# Altium PCB PCB1.pcbdoc (part 1 of 3)
Units mil, origin at the board's own origin, x right, y up, seen from the top; angles counter-clockwise.
Board outline 13400.91 x 6761.77 mil, 2 copper layers (Top Layer, Bottom Layer); 395 components, 233 nets, 925 pads, 452 vias.
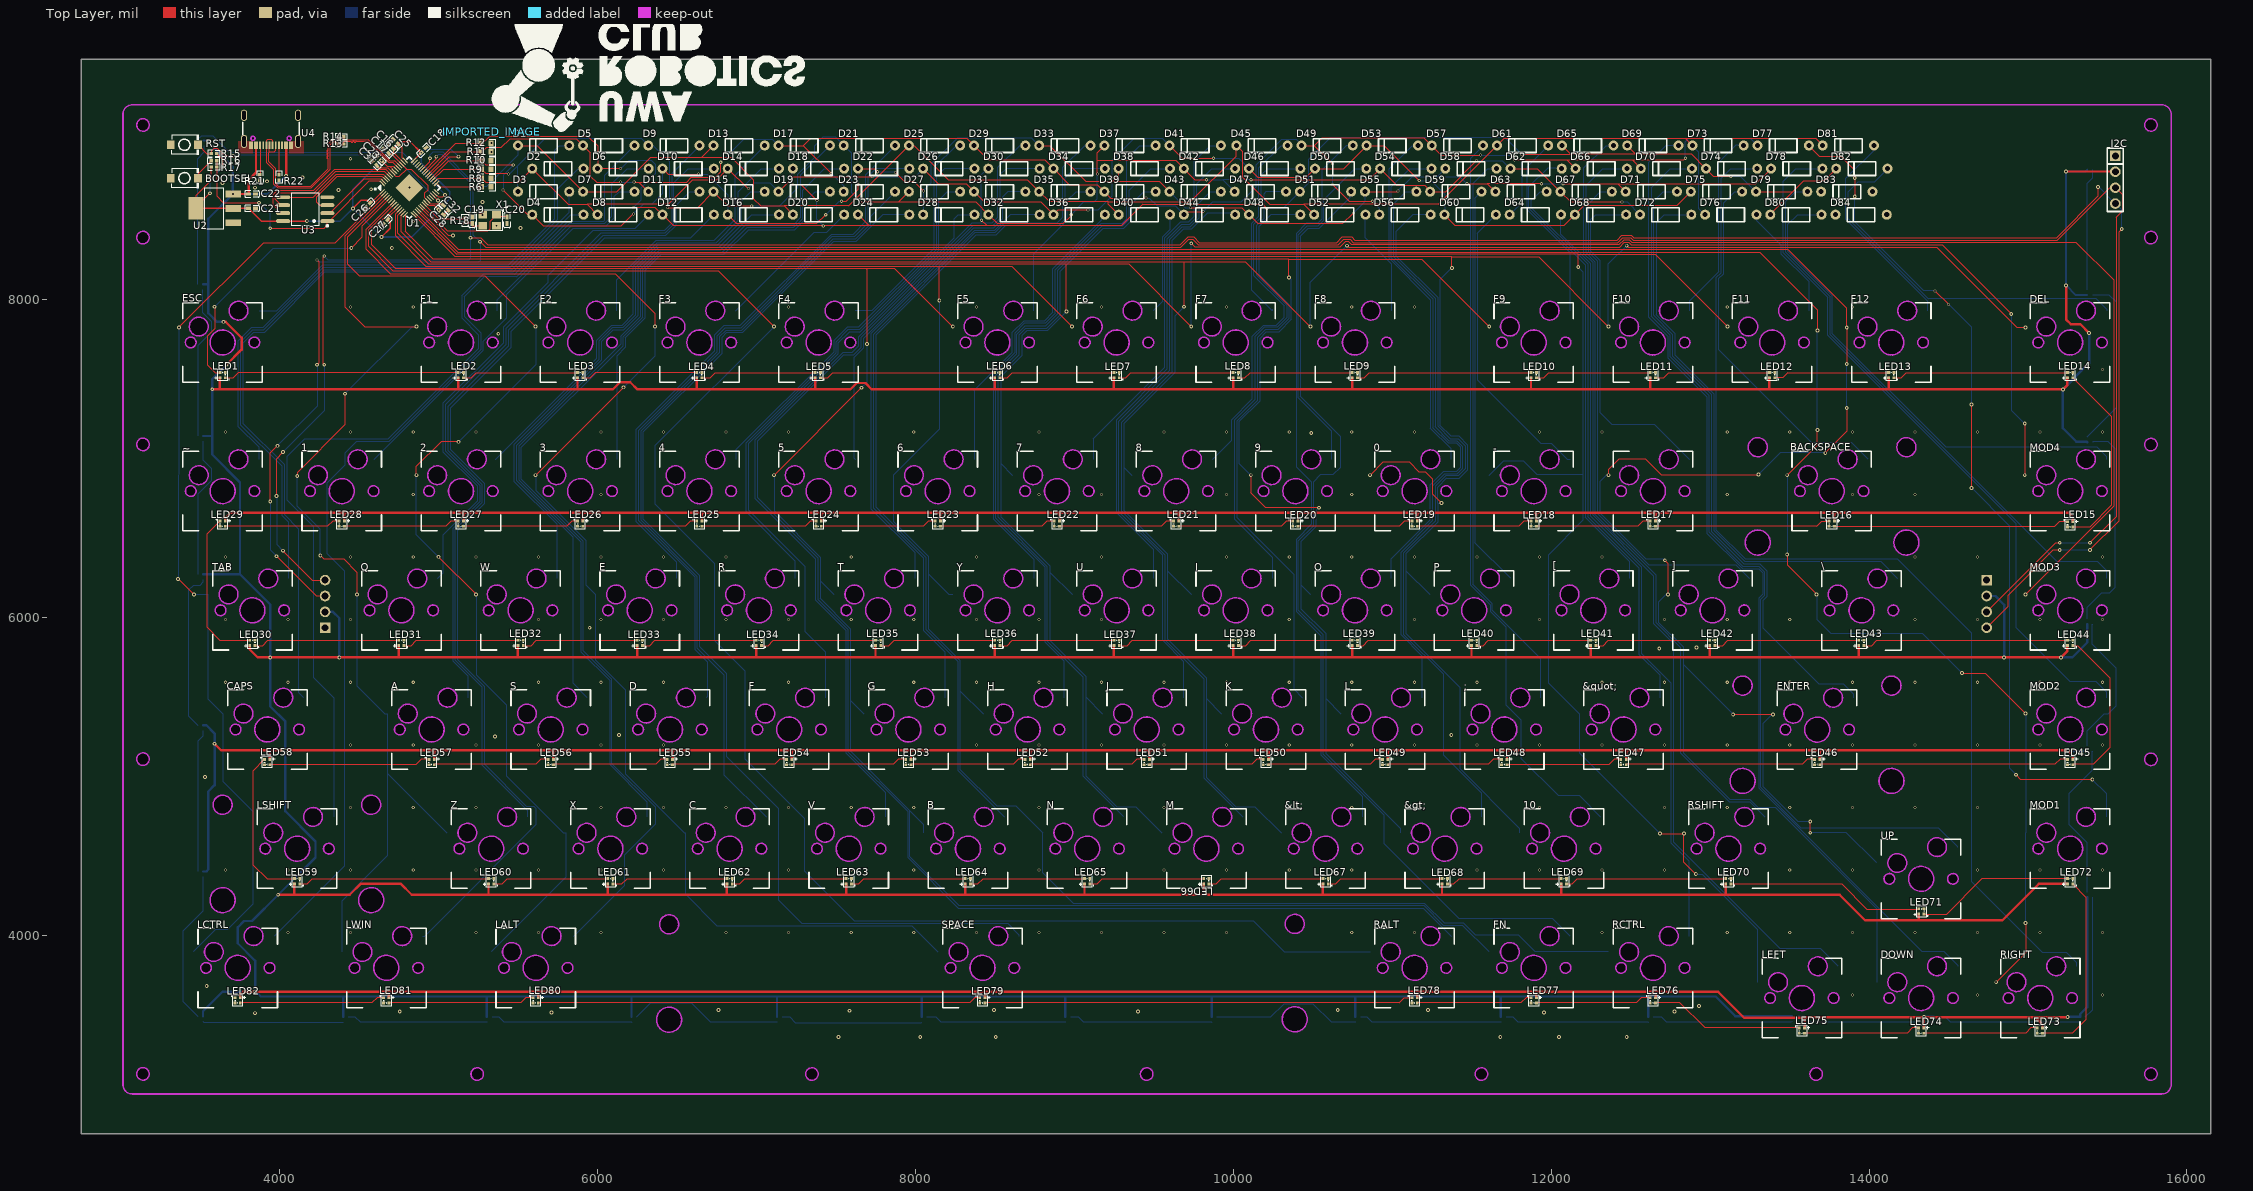
[diagram p0: Top Layer view]
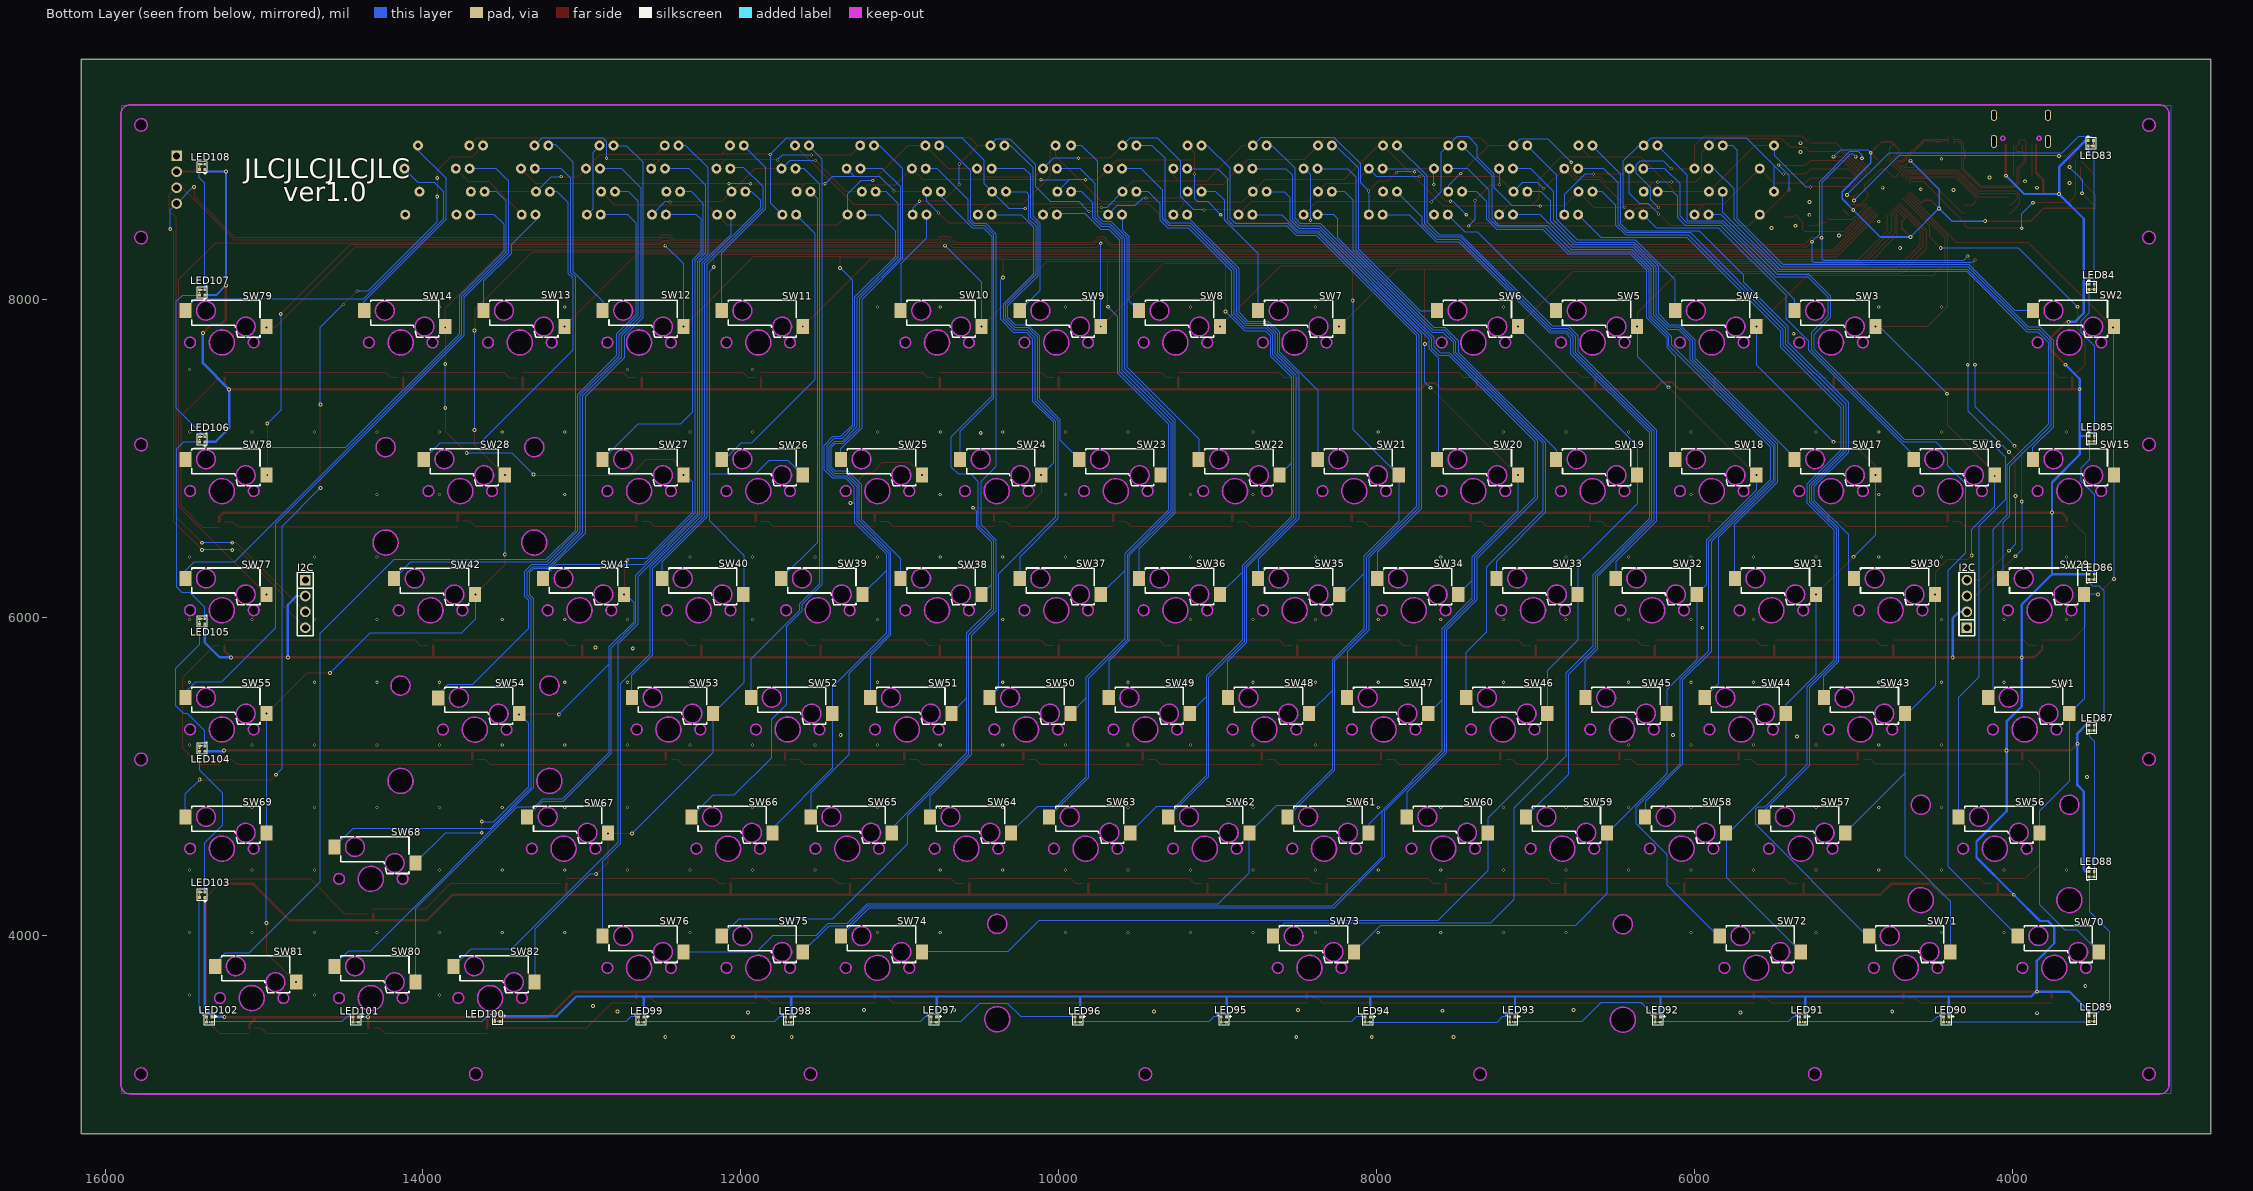
[diagram p1: Bottom Layer view, seen from below]

## Layer stack, top to bottom
Top Layer: signal copper (thickness not stored)
Dielectric: dielectric 12.6, FR-4, Dk 4.8
Bottom Layer: signal copper (thickness not stored)

## Board outline
16150.91,2750 2750,2750 2750,9511.77 16150.91,9511.77
cut-out: 6509.65,4067.51 ccw(c6449.61,4067.08) 6389.57,4067.51 ccw(c6449.61,4067.94)
cut-out: 6528.35,3467.51 ccw(c6449.61,3466.96) 6370.87,3467.51 ccw(c6449.61,3468.07)
cut-out: 10465.35,3470.29 ccw(c10386.61,3470.29) 10307.87,3470.29 ccw(c10386.61,3470.29)
cut-out: 10446.65,4070.29 ccw(c10386.61,4070.29) 10326.57,4070.29 ccw(c10386.61,4070.29)
cut-out: 13282.76,4969.93 ccw(c13204.02,4969.34) 13125.28,4969.93 ccw(c13204.02,4970.53)
cut-out: 13264.06,5569.93 ccw(c13204.02,5569.46) 13143.98,5569.93 ccw(c13204.02,5570.4)
cut-out: 14219.76,4969.93 ccw(c14141.02,4969.93) 14062.28,4969.93 ccw(c14141.02,4969.93)
cut-out: 14201.02,5569.93 ccw(c14140.98,5569.93) 14080.94,5569.93 ccw(c14140.98,5569.93)
cut-out: 13360.04,7069.93 ccw(c13300,7069.93) 13239.96,7069.93 ccw(c13300,7069.93)
cut-out: 13378.78,6469.93 ccw(c13300.04,6469.67) 13221.3,6469.93 ccw(c13300.04,6470.2)
cut-out: 14295.04,7069.93 ccw(c14235,7069.93) 14174.96,7069.93 ccw(c14235,7069.93)
cut-out: 14313.78,6469.93 ccw(c14235.04,6469.67) 14156.3,6469.93 ccw(c14235.04,6470.2)
cut-out: 4635.04,4819.93 ccw(c4575,4819.93) 4514.96,4819.93 ccw(c4575,4819.93)
cut-out: 4653.74,4219.93 ccw(c4575,4219.81) 4496.26,4219.93 ccw(c4575,4220.06)
cut-out: 3700.04,4819.93 ccw(c3640,4819.93) 3579.96,4819.93 ccw(c3640,4819.93)
cut-out: 3718.74,4219.93 ccw(c3640,4219.81) 3561.26,4219.93 ccw(c3640,4220.06)
cut-out: 3178.86,9097.49 ccw(c3139.49,9097.21) 3100.12,9097.49 ccw(c3139.49,9097.76)
cut-out: 3178.86,7087.38 ccw(c3139.49,7087.11) 3100.12,7087.38 ccw(c3139.49,7087.65)
cut-out: 3178.86,5107.07 ccw(c3139.49,5106.8) 3100.12,5107.07 ccw(c3139.49,5107.34)
cut-out: 3178.86,3126.76 ccw(c3139.49,3126.49) 3100.12,3126.76 ccw(c3139.49,3127.03)
cut-out: 5281.54,3125.58 ccw(c5242.17,3125.15) 5202.8,3125.58 ccw(c5242.17,3126.01)
cut-out: 7387.83,3125.58 ccw(c7348.46,3125.58) 7309.09,3125.58 ccw(c7348.46,3125.58)
cut-out: 9494.13,3125.58 ccw(c9454.76,3125.58) 9415.39,3125.58 ccw(c9454.76,3125.58)
cut-out: 11600.43,3125.58 ccw(c11561.06,3125.58) 11521.69,3125.58 ccw(c11561.06,3125.58)
cut-out: 13706.69,3125.58 ccw(c13667.32,3125.58) 13627.95,3125.58 ccw(c13667.32,3125.58)
cut-out: 15812.99,3125.58 ccw(c15773.62,3125.58) 15734.25,3125.58 ccw(c15773.62,3125.58)
cut-out: 15812.99,5105.89 ccw(c15773.62,5105.89) 15734.25,5105.89 ccw(c15773.62,5105.89)
cut-out: 15812.99,7086.2 ccw(c15773.62,7086.2) 15734.25,7086.2 ccw(c15773.62,7086.2)
cut-out: 15812.99,9097.49 ccw(c15773.62,9097.49) 15734.25,9097.49 ccw(c15773.62,9097.49)
cut-out: 15812.99,8388.82 ccw(c15773.62,8388.82) 15734.25,8388.82 ccw(c15773.62,8388.82)
cut-out: 3178.86,8388.82 ccw(c3139.49,8388.55) 3100.12,8388.82 ccw(c3139.49,8389.1)

## Design rules (kind name [scope] priority, off if disabled: settings)
BoardOutlineClearance copperThickness1oz [All] p0: genericclearance=10 ignorepadtopadclearanceinfootprint=FALSE except(0: Arc-SplitContinuation Track-SplitContinuation SMDPad-SplitContinuation THPad-SplitContinuation Via-SplitContinuation Fill-SplitContinuation Poly-SplitContinuation Region-SplitContinuation Text-SplitContinuation; 6: SMDPad-CutoutEdge THPad-CutoutEdge Via-CutoutEdge Fill-CutoutEdge Region-CutoutEdge; 11.8: Track-OutlineEdge SMDPad-OutlineEdge THPad-OutlineEdge Via-OutlineEdge Fill-OutlineEdge Region-OutlineEdge Poly-OutlineEdge Text-OutlineEdge Track-CutoutEdge)
BoardOutlineClearance copperThickness2oz [All] p0: genericclearance=10 ignorepadtopadclearanceinfootprint=FALSE except(0: Arc-SplitContinuation Track-SplitContinuation SMDPad-SplitContinuation THPad-SplitContinuation Via-SplitContinuation Fill-SplitContinuation Poly-SplitContinuation Region-SplitContinuation Text-SplitContinuation; 6: SMDPad-CutoutEdge THPad-CutoutEdge Via-CutoutEdge Fill-CutoutEdge Region-CutoutEdge; 11.8: Track-OutlineEdge SMDPad-OutlineEdge THPad-OutlineEdge Via-OutlineEdge Fill-OutlineEdge Region-OutlineEdge Poly-OutlineEdge Text-OutlineEdge Track-CutoutEdge)
Clearance copperThickness1oz [(InNet('C11') OR InNet('C2') OR InNet('C3') OR InNet('C4') OR InNet('C5') OR InNet('C6') OR InNet('C7') OR InNet('C8') OR InNet('C9') OR InNet('C10') OR InNet('R1') OR InNet('R2') OR InNet('R3') OR InNet('R4') OR InNet('R5') OR InNet('R6') OR InNet('C1') OR InNet('GND') OR InNet('XIN') OR InNet('XOUT') OR InNet('$1N33370') OR InNet('C12') OR InNet('C13') OR InNet('C14') OR InNet('$1N13351') OR InNet('$1N13307') OR InNet('QSPI_SD3') OR InNet('QSPI_SCLK') OR InNet('QSPI_SD0') OR InNet('QSPI_SD2') OR InNet('QSPI_SD1') OR InNet('QSPI_SS') OR InNet('VCC') OR InNet('DN') OR InNet('DP') OR InNet('$1N10159') OR InNet('$1N11124') OR InNet('DINUGRGB') OR InNet('DINPKRGB') OR InNet('+3.3V') OR InNet('+1.1V') OR InNet('$1N279593') OR InNet('$1N279591') OR InNet('SDA1') OR InNet('SCL1') OR InNet('$3N114977') OR InNet('$3N114980') OR InNet('$3N114983') OR InNet('$3N114986') OR InNet('$3N114989') OR InNet('$3N114992') OR InNet('$3N114995') OR InNet('$3N114998') OR InNet('$3N118847') OR InNet('$3N115509') OR InNet('$3N115511') OR InNet('$3N115513') OR InNet('$3N115515') OR InNet('$3N115517') OR InNet('$3N115519') OR InNet('$3N115521') OR InNet('$3N115523') OR InNet('$3N115525') OR InNet('$3N118859') OR InNet('$3N116527') OR InNet('$3N116529') OR InNet('$3N116531') OR InNet('$3N116533') OR InNet('$3N116535') OR InNet('$3N116537') OR InNet('$3N116539') OR InNet('$3N116541') OR InNet('$3N116543') OR InNet('$3N118871') OR InNet('$3N116567') OR InNet('$3N116569') OR InNet('$3N116571') OR InNet('$3N116573') OR InNet('$3N116575') OR InNet('$3N116577') OR InNet('$3N116579') OR InNet('$3N116581') OR InNet('$3N116583') OR InNet('$3N118883') OR InNet('$3N118563') OR InNet('$3N118565') OR InNet('$3N118567') OR InNet('$3N118569') OR InNet('$3N118571') OR InNet('$3N118573') OR InNet('$3N118575') OR InNet('$3N118577') OR InNet('$3N118579') OR InNet('$3N118895') OR InNet('$3N118603') OR InNet('$3N118605') OR InNet('$3N118607') OR InNet('$3N118609') OR InNet('$3N118611') OR InNet('$3N118613') OR InNet('$3N118615') OR InNet('$3N118617') OR InNet('$3N118619') OR InNet('$3N118907') OR InNet('$3N118643') OR InNet('$3N118645') OR InNet('$3N118647') OR InNet('$3N118649') OR InNet('$3N118651') OR InNet('$3N118653') OR InNet('$3N118655') OR InNet('$3N118657') OR InNet('$3N118659') OR InNet('$3N118919') OR InNet('$3N118683') OR InNet('$3N118685') OR InNet('$3N118687') OR InNet('$3N118689') OR InNet('$3N118691') OR InNet('$3N118693') OR InNet('$3N118695') OR InNet('$3N118697') OR InNet('$3N118699') OR InNet('$3N118931') OR InNet('$3N118824') OR InNet('$1N381195') OR InNet('$1N381283') OR InNet('$1N381379') OR InNet('$1N381338') OR InNet('$1N381538') OR InNet('$1N381591') OR InNet('$1N381485') OR InNet('$1N381432') OR InNet('$1N381697') OR InNet('$1N381749') OR InNet('$1N381855') OR InNet('$1N381802') OR InNet('$1N381644') OR InNet('$1N382348') OR InNet('$1N382512') OR InNet('$1N382567') OR InNet('$1N382457') OR InNet('$1N382403') OR InNet('$1N382128') OR InNet('$1N382183') OR InNet('$1N382293') OR InNet('$1N382238') OR InNet('$1N382018') OR InNet('$1N382073') OR InNet('$1N381963') OR InNet('$1N381908') OR InNet('$1N382674') OR InNet('$1N382731') OR InNet('$1N382845') OR InNet('$1N382788') OR InNet('$1N383016') OR InNet('$1N383073') OR InNet('$1N382959') OR InNet('$1N382902') OR InNet('$1N383187') OR InNet('$1N383243') OR InNet('$1N383357') OR InNet('$1N383300') OR InNet('$1N383130') OR InNet('$1N383414') OR InNet('$1N382622') OR InNet('$1N384234') OR InNet('$1N385071') OR InNet('$1N384778') OR InNet('$1N384949') OR InNet('$1N385010') OR InNet('$1N384888') OR InNet('$1N384839') OR InNet('$1N384534') OR InNet('$1N384595') OR InNet('$1N384717') OR InNet('$1N384656') OR InNet('$1N384412') OR InNet('$1N384473') OR InNet('$1N384351') OR InNet('$1N384290') OR InNet('$1N383468') OR InNet('$1N383527') OR InNet('$1N383645') OR InNet('$1N383586') OR InNet('$1N383822') OR InNet('$1N383881') OR InNet('$1N383763') OR InNet('$1N383704') OR InNet('$1N383999') OR InNet('$1N384057') OR InNet('$1N384175') OR InNet('$1N384116') OR InNet('$1N383940') OR InNet('$1N385129') OR InNet('$1N385178') OR InNet('$1N385276') OR InNet('$1N385227') OR InNet('$1N385374') OR InNet('$1N385423') OR InNet('$1N385325') OR InNet('$1N385645') OR InNet('$1N385777') OR InNet('$1N385694') OR InNet('$1N385826') OR InNet('$1N385513') OR InNet('$1N385562') OR InNet('$3N124660') OR InNet('$3N125947') OR InNet('$3N125948') OR InNet('$3N125949') OR InNet('$3N125950') OR InNet('$3N125951') OR InNet('$3N125952') OR InNet('$3N125953') OR InNet('$3N125954') OR InNet('$3N125955') OR InNet('$3N125975') OR InNet('$3N125958') OR InNet('$3N125959') OR InNet('$3N125960') OR InNet('$3N125961') OR InNet('$3N125962') OR InNet('$3N125963') OR InNet('$3N125964') OR InNet('$3N125965') OR InNet('$3N125966') OR InNet('$3N125976') OR InNet('$3N125969') OR InNet('$3N125970') OR InNet('$3N125971') OR InNet('$3N125972') OR InNet('$3N125973'))] p1: gap=7 ignorepadtopadclearanceinfootprint=FALSE except(4: Track-Track; 6: Track-SMDPad SMDPad-SMDPad Track-THPad SMDPad-THPad THPad-THPad Track-Via SMDPad-Via THPad-Via Via-Via Track-Fill SMDPad-Fill THPad-Fill Via-Fill Fill-Fill SMDPad-Region THPad-Region Via-Region Fill-Region Region-Region Track-Poly SMDPad-Poly THPad-Poly Via-Poly Fill-Poly Poly-Poly Track-Text SMDPad-Text THPad-Text Via-Text Fill-Text Region-Text Poly-Text Text-Text Track-Hole SMDPad-Hole THPad-Hole Via-Hole Fill-Hole Region-Hole Poly-Hole Text-Hole; 11.8: Track-Region Region-Poly Track-Sheet SMDPad-Sheet THPad-Sheet Via-Sheet Fill-Sheet Region-Sheet Poly-Sheet Text-Sheet Sheet-Hole)
Clearance copperThickness2oz [All] p1: gap=7 ignorepadtopadclearanceinfootprint=FALSE except(6: Track-SMDPad SMDPad-SMDPad Track-THPad SMDPad-THPad THPad-THPad Track-Via SMDPad-Via THPad-Via Via-Via Track-Fill SMDPad-Fill THPad-Fill Via-Fill Fill-Fill SMDPad-Region THPad-Region Via-Region Fill-Region Region-Region Track-Poly SMDPad-Poly THPad-Poly Via-Poly Fill-Poly Poly-Poly Track-Text SMDPad-Text THPad-Text Via-Text Fill-Text Region-Text Poly-Text Text-Text Track-Hole SMDPad-Hole THPad-Hole Via-Hole Fill-Hole Region-Hole Poly-Hole Text-Hole; 8: Track-Track; 11.8: Track-Region Region-Poly Track-Sheet SMDPad-Sheet THPad-Sheet Via-Sheet Fill-Sheet Region-Sheet Poly-Sheet Text-Sheet Sheet-Hole)
DiffPairsRouting differentialPair [All] p1: maxuncoupledlength=10 minlimit=5.9843 maxlimit=5.9843 mostfreqgap=5.9843 toplayer_minwidth=5 toplayer_prefwidth=10 toplayer_maxwidth=100 bottomlayer_minwidth=5 bottomlayer_prefwidth=10 bottomlayer_maxwidth=100
PasteMaskExpansion pasteMaskExpansion [All] p1: expansion=0
PlaneConnect innerPlane [All] p1: planeconnectstyle=Relief reliefexpansion=20 reliefentries=4 reliefconductorwidth=10 reliefairgap=10
PolygonConnect copperRegion [All] p1: connectstyle=Relief reliefentries=4 reliefconductorwidth=10 polygonreliefangle="90 Angle" airgapwidth=10
RoutingVias viaSize [All] p1: viastyle="Through Hole" holewidth=11.811 minholewidth=11.811 maxholewidth=248.0314 width=19.685 minwidth=19.685 maxwidth=393.7008
SolderMaskExpansion solderMaskExpansion [All] p1: useseparateexpansions=TRUE expansion=2.0079 expansionbottom=2.0079
Width copperThickness1oz [All] p1: maxlimit=100 minlimit=5 preferedwidth=10
Width copperThickness2oz [All] p1: maxlimit=100 minlimit=8 preferedwidth=10

## Components (designator, comment, footprint, x,y, rotation, side; value= is the part's Value field where it differs from the comment)
0 "CHERRY-MX-SW-1U" CHERRY-MX-PCB-1U 11140,6793.73 r0 top
1 "CHERRY-MX-SW-1U" CHERRY-MX-PCB-1U 4390,6793.73 r0 top
2 "CHERRY-MX-SW-1U" CHERRY-MX-PCB-1U 5140,6793.73 r0 top
3 "CHERRY-MX-SW-1U" CHERRY-MX-PCB-1U 5890,6793.73 r0 top
4 "CHERRY-MX-SW-1U" CHERRY-MX-PCB-1U 6640,6793.73 r0 top
5 "CHERRY-MX-SW-1U" CHERRY-MX-PCB-1U 7390,6793.73 r0 top
6 "CHERRY-MX-SW-1U" CHERRY-MX-PCB-1U 8140,6793.73 r0 top
7 "CHERRY-MX-SW-1U" CHERRY-MX-PCB-1U 8890,6793.73 r0 top
8 "CHERRY-MX-SW-1U" CHERRY-MX-PCB-1U 9640,6793.73 r0 top
9 "CHERRY-MX-SW-1U" CHERRY-MX-PCB-1U 10390,6793.73 r0 top
10 "CHERRY-MX-SW-1U" CHERRY-MX-PCB-1U 12080,4543.73 r0 top
&gt; "CHERRY-MX-SW-1U" CHERRY-MX-PCB-1U 11330,4543.73 r0 top
&lt; "CHERRY-MX-SW-1U" CHERRY-MX-PCB-1U 10580,4543.73 r0 top
&quot; "CHERRY-MX-SW-1U" CHERRY-MX-PCB-1U 12455,5293.73 r0 top
- "CHERRY-MX-SW-1U" CHERRY-MX-PCB-1U 11890,6793.73 r0 top
; "CHERRY-MX-SW-1U" CHERRY-MX-PCB-1U 11705,5293.73 r0 top
[ "CHERRY-MX-SW-1U" CHERRY-MX-PCB-1U 12265,6043.73 r0 top
\ "CHERRY-MX-SW-1U" CHERRY-MX-PCB-1U 13952.38,6043.29 r0 top
] "CHERRY-MX-SW-1U" CHERRY-MX-PCB-1U 13015,6043.73 r0 top
A "CHERRY-MX-SW-1U" CHERRY-MX-PCB-1U 4955,5293.73 r0 top
B "CHERRY-MX-SW-1U" CHERRY-MX-PCB-1U 8330,4543.73 r0 top
BACKSPACE "CHERRY-MX-SW-1U" CHERRY-MX-PCB-1U 13765,6793.73 r0 top
BOOTSEL "TS-1088-AR02016" SW-SMD_L3.9-W3.0-P4.45 3400,8762.79 r0 top
C "CHERRY-MX-SW-1U" CHERRY-MX-PCB-1U 6830,4543.73 r0 top
C16 "CL05A105KA5NQNC" C0402 4700,8962.79 r135 top
C17 "CL05A105KA5NQNC" C0402 4670,8932.79 r315 top
C18 "CL05B104KO5NNNC" C0402 4905.17,8937.96 r45 top
C19 "0402CG330J500NT" C0402 5210,8497.79 r90 top
C20 "0402CG330J500NT" C0402 5430,8497.79 r90 top
C21 "CL05A106MQ5NUNC" C0402 3825,8572.79 r180 top
C22 "CL05A106MQ5NUNC" C0402 3825,8662.79 r180 top
C23 "CL05B104KO5NNNC" C0402 4625,8887.79 r315 top
C25 "CL05B104KO5NNNC" C0402 4730,8992.79 r315 top
C26 "CL05B104KO5NNNC" C0402 4555,8592.79 r45 top
C27 "CL05B104KO5NNNC" C0402 4665,8487.79 r45 top
C28 "CL05B104KO5NNNC" C0402 5015,8547.79 r135 top
C31 "CL05B104KO5NNNC" C0402 4595,8857.79 r315 top
C32 "CL05B104KO5NNNC" C0402 5045,8577.79 r135 top
CAPS "CHERRY-MX-SW-1U" CHERRY-MX-PCB-1U 3921.69,5293.69 r0 top
D "CHERRY-MX-SW-1U" CHERRY-MX-PCB-1U 6455,5293.73 r0 top
D1 "1N4148_C14538" DO-35_BD2.0-L4.2-P8.20-D0.5-RD 5660,8967.79 r0 top
D2 "1N4148_C14538" DO-35_BD2.0-L4.2-P8.20-D0.5-RD 5750,8822.79 r0 top
D3 "1N4148_C14538" DO-35_BD2.0-L4.2-P8.20-D0.5-RD 5660,8677.79 r0 top
D4 "1N4148_C14538" DO-35_BD2.0-L4.2-P8.20-D0.5-RD 5750,8532.79 r0 top
D5 "1N4148_C14538" DO-35_BD2.0-L4.2-P8.20-D0.5-RD 6070,8967.79 r0 top
D6 "1N4148_C14538" DO-35_BD2.0-L4.2-P8.20-D0.5-RD 6160,8822.79 r0 top
D7 "1N4148_C14538" DO-35_BD2.0-L4.2-P8.20-D0.5-RD 6070,8677.79 r0 top
D8 "1N4148_C14538" DO-35_BD2.0-L4.2-P8.20-D0.5-RD 6160,8532.79 r0 top
D9 "1N4148_C14538" DO-35_BD2.0-L4.2-P8.20-D0.5-RD 6480,8967.79 r0 top
D10 "1N4148_C14538" DO-35_BD2.0-L4.2-P8.20-D0.5-RD 6570,8822.79 r0 top
D11 "1N4148_C14538" DO-35_BD2.0-L4.2-P8.20-D0.5-RD 6480,8677.79 r0 top
D12 "1N4148_C14538" DO-35_BD2.0-L4.2-P8.20-D0.5-RD 6570,8532.79 r0 top
D13 "1N4148_C14538" DO-35_BD2.0-L4.2-P8.20-D0.5-RD 6890,8967.79 r0 top
D14 "1N4148_C14538" DO-35_BD2.0-L4.2-P8.20-D0.5-RD 6980,8822.79 r0 top
D15 "1N4148_C14538" DO-35_BD2.0-L4.2-P8.20-D0.5-RD 6890,8677.79 r0 top
D16 "1N4148_C14538" DO-35_BD2.0-L4.2-P8.20-D0.5-RD 6980,8532.79 r0 top
D17 "1N4148_C14538" DO-35_BD2.0-L4.2-P8.20-D0.5-RD 7300,8967.79 r0 top
D18 "1N4148_C14538" DO-35_BD2.0-L4.2-P8.20-D0.5-RD 7390,8822.79 r0 top
D19 "1N4148_C14538" DO-35_BD2.0-L4.2-P8.20-D0.5-RD 7300,8677.79 r0 top
D20 "1N4148_C14538" DO-35_BD2.0-L4.2-P8.20-D0.5-RD 7390,8532.79 r0 top
D21 "1N4148_C14538" DO-35_BD2.0-L4.2-P8.20-D0.5-RD 7710,8967.79 r0 top
D22 "1N4148_C14538" DO-35_BD2.0-L4.2-P8.20-D0.5-RD 7800,8822.79 r0 top
D23 "1N4148_C14538" DO-35_BD2.0-L4.2-P8.20-D0.5-RD 7710,8677.79 r0 top
D24 "1N4148_C14538" DO-35_BD2.0-L4.2-P8.20-D0.5-RD 7800,8532.79 r0 top
D25 "1N4148_C14538" DO-35_BD2.0-L4.2-P8.20-D0.5-RD 8120,8967.79 r0 top
D26 "1N4148_C14538" DO-35_BD2.0-L4.2-P8.20-D0.5-RD 8210,8822.79 r0 top
D27 "1N4148_C14538" DO-35_BD2.0-L4.2-P8.20-D0.5-RD 8120,8677.79 r0 top
D28 "1N4148_C14538" DO-35_BD2.0-L4.2-P8.20-D0.5-RD 8210,8532.79 r0 top
D29 "1N4148_C14538" DO-35_BD2.0-L4.2-P8.20-D0.5-RD 8530,8967.79 r0 top
D30 "1N4148_C14538" DO-35_BD2.0-L4.2-P8.20-D0.5-RD 8620,8822.79 r0 top
D31 "1N4148_C14538" DO-35_BD2.0-L4.2-P8.20-D0.5-RD 8530,8677.79 r0 top
D32 "1N4148_C14538" DO-35_BD2.0-L4.2-P8.20-D0.5-RD 8620,8532.79 r0 top
D33 "1N4148_C14538" DO-35_BD2.0-L4.2-P8.20-D0.5-RD 8940,8967.79 r0 top
D34 "1N4148_C14538" DO-35_BD2.0-L4.2-P8.20-D0.5-RD 9030,8822.79 r0 top
D35 "1N4148_C14538" DO-35_BD2.0-L4.2-P8.20-D0.5-RD 8940,8677.79 r0 top
D36 "1N4148_C14538" DO-35_BD2.0-L4.2-P8.20-D0.5-RD 9030,8532.79 r0 top
D37 "1N4148_C14538" DO-35_BD2.0-L4.2-P8.20-D0.5-RD 9350,8967.79 r0 top
D38 "1N4148_C14538" DO-35_BD2.0-L4.2-P8.20-D0.5-RD 9440,8822.79 r0 top
D39 "1N4148_C14538" DO-35_BD2.0-L4.2-P8.20-D0.5-RD 9350,8677.79 r0 top
D40 "1N4148_C14538" DO-35_BD2.0-L4.2-P8.20-D0.5-RD 9440,8532.79 r0 top
D41 "1N4148_C14538" DO-35_BD2.0-L4.2-P8.20-D0.5-RD 9760,8967.79 r0 top
D42 "1N4148_C14538" DO-35_BD2.0-L4.2-P8.20-D0.5-RD 9850,8822.79 r0 top
D43 "1N4148_C14538" DO-35_BD2.0-L4.2-P8.20-D0.5-RD 9760,8677.79 r0 top
D44 "1N4148_C14538" DO-35_BD2.0-L4.2-P8.20-D0.5-RD 9850,8532.79 r0 top
D45 "1N4148_C14538" DO-35_BD2.0-L4.2-P8.20-D0.5-RD 10180,8967.79 r0 top
D46 "1N4148_C14538" DO-35_BD2.0-L4.2-P8.20-D0.5-RD 10260,8822.79 r0 top
D47 "1N4148_C14538" DO-35_BD2.0-L4.2-P8.20-D0.5-RD 10170,8677.79 r0 top
D48 "1N4148_C14538" DO-35_BD2.0-L4.2-P8.20-D0.5-RD 10260,8532.79 r0 top
D49 "1N4148_C14538" DO-35_BD2.0-L4.2-P8.20-D0.5-RD 10590,8967.79 r0 top
D50 "1N4148_C14538" DO-35_BD2.0-L4.2-P8.20-D0.5-RD 10675,8822.79 r0 top
D51 "1N4148_C14538" DO-35_BD2.0-L4.2-P8.20-D0.5-RD 10580,8677.79 r0 top
D52 "1N4148_C14538" DO-35_BD2.0-L4.2-P8.20-D0.5-RD 10670,8532.79 r0 top
D53 "1N4148_C14538" DO-35_BD2.0-L4.2-P8.20-D0.5-RD 11000,8967.79 r0 top
D54 "1N4148_C14538" DO-35_BD2.0-L4.2-P8.20-D0.5-RD 11085,8822.79 r0 top
D55 "1N4148_C14538" DO-35_BD2.0-L4.2-P8.20-D0.5-RD 10990,8677.79 r0 top
D56 "1N4148_C14538" DO-35_BD2.0-L4.2-P8.20-D0.5-RD 11080,8532.79 r0 top
D57 "1N4148_C14538" DO-35_BD2.0-L4.2-P8.20-D0.5-RD 11410,8967.79 r0 top
D58 "1N4148_C14538" DO-35_BD2.0-L4.2-P8.20-D0.5-RD 11495,8822.79 r0 top
D59 "1N4148_C14538" DO-35_BD2.0-L4.2-P8.20-D0.5-RD 11400,8677.79 r0 top
D60 "1N4148_C14538" DO-35_BD2.0-L4.2-P8.20-D0.5-RD 11490,8532.79 r0 top
D61 "1N4148_C14538" DO-35_BD2.0-L4.2-P8.20-D0.5-RD 11820,8967.79 r0 top
D62 "1N4148_C14538" DO-35_BD2.0-L4.2-P8.20-D0.5-RD 11905,8822.79 r0 top
D63 "1N4148_C14538" DO-35_BD2.0-L4.2-P8.20-D0.5-RD 11810,8677.79 r0 top
D64 "1N4148_C14538" DO-35_BD2.0-L4.2-P8.20-D0.5-RD 11900,8532.79 r0 top
D65 "1N4148_C14538" DO-35_BD2.0-L4.2-P8.20-D0.5-RD 12230,8967.79 r0 top
D66 "1N4148_C14538" DO-35_BD2.0-L4.2-P8.20-D0.5-RD 12315,8822.79 r0 top
D67 "1N4148_C14538" DO-35_BD2.0-L4.2-P8.20-D0.5-RD 12220,8677.79 r0 top
D68 "1N4148_C14538" DO-35_BD2.0-L4.2-P8.20-D0.5-RD 12310,8532.79 r0 top
D69 "1N4148_C14538" DO-35_BD2.0-L4.2-P8.20-D0.5-RD 12640,8967.79 r0 top